# Altium PCB Tag201_GangProgrammerRev2.PcbDoc (part 3 of 7)
Units mil, origin at the board's own origin, x right, y up, seen from the top; angles counter-clockwise.
Board outline 10400 x 10885 mil, 4 copper layers (Top Layer, VCC, GND, Bottom Layer), stack 67.2 mil thick; 831 components, 394 nets, 2486 pads, 638 vias.
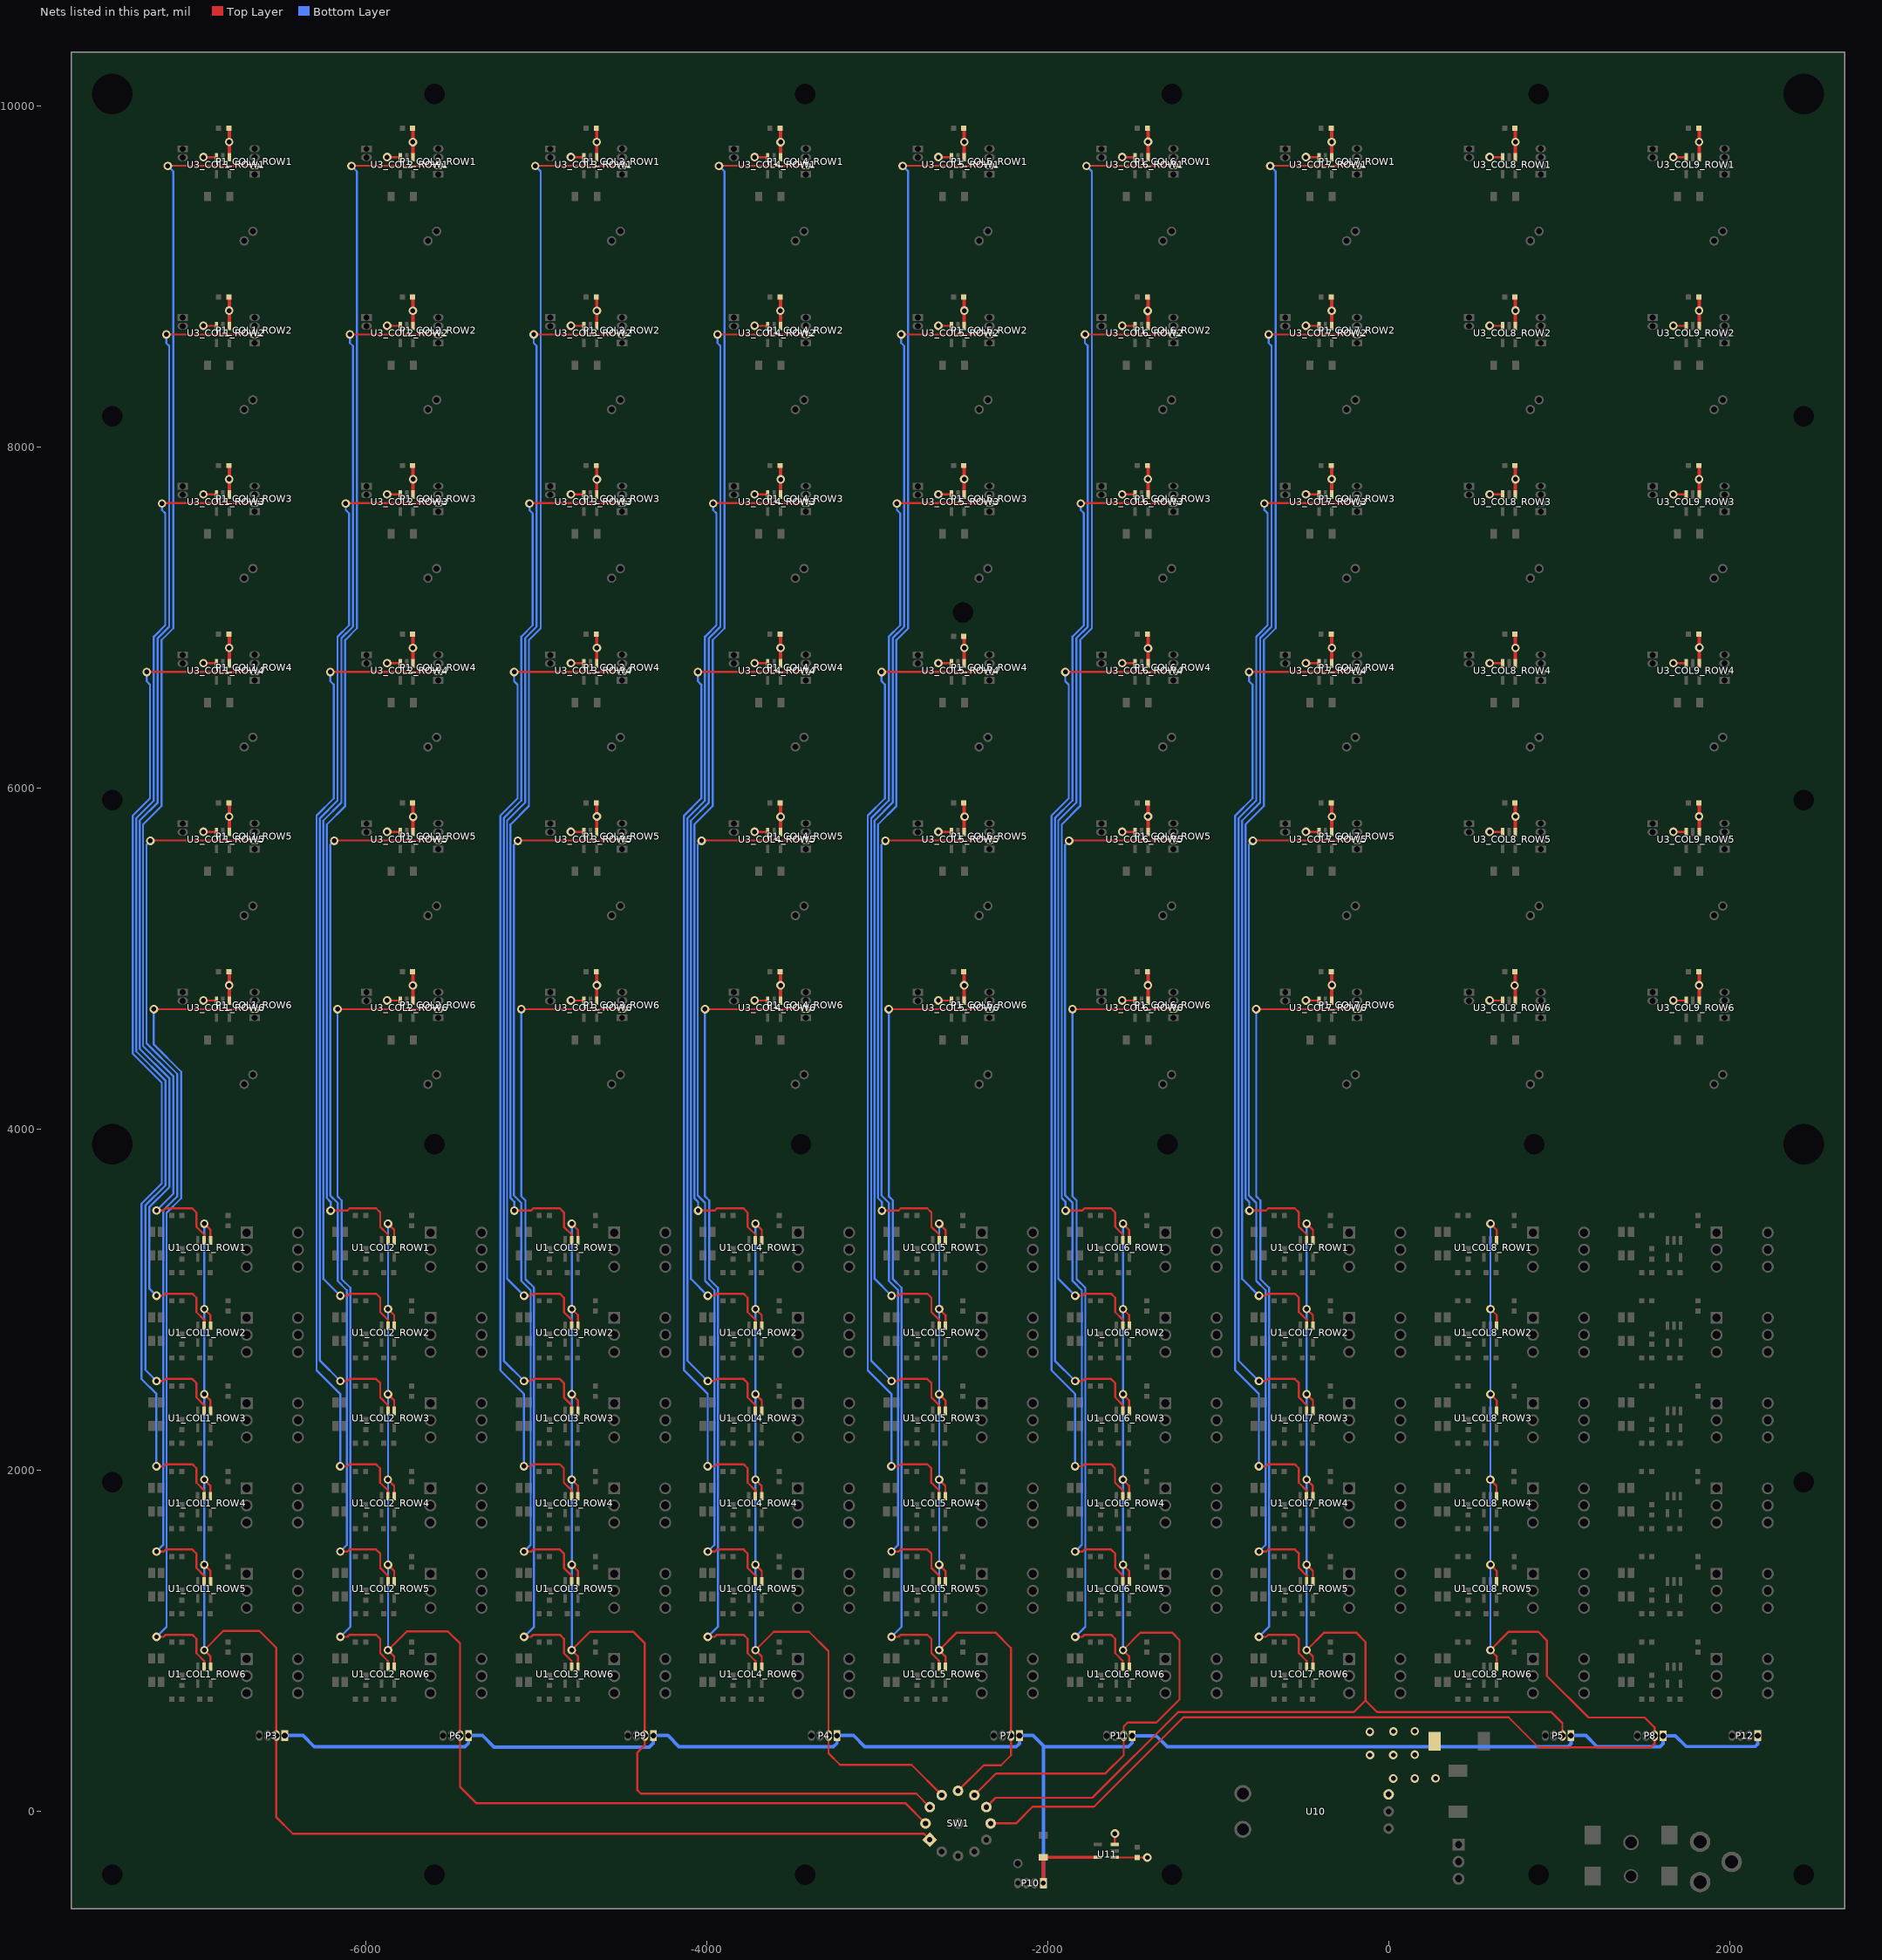
[diagram p5: the nets of this part, all layers, seen from the top]

## Footprints (in the part's own frame and the unit in brackets; to place one, negate y for a bottom-side part, rotate by r counter-clockwise, add the part's x,y. Pads: shape width x height; smd on the part's side, far side on the other; paste and mask are expansions set on the pad)
"1X2 HEADER_50MIL_081611" [mil] "TH"
  rect 40x62 hole 35 mask+2: 1(0,0)
  oval 40x62 hole 35 mask+2: 2(50,0)
  silkscreen extent -40,-50 90,50
"1X4 HEADER_50mil_071411"#1 [mil] "TH"
  rect 40x62 hole 35 mask+2: 1(0,0)
  oval 40x62 hole 35 mask+2: 2(50,0) 3(100,0) 4(150,0)
  silkscreen extent -40,-50 190,50
"1X4 HEADER_50mil_071411"#2 [mil] "TH"
  rect 40x62 hole 28 mask+2: 1(0,0)
  oval 40x62 hole 28 mask+2: 2(50,0) 3(100,0) 4(150,0)
  silkscreen extent -40,-50 190,50
0603_072205 [mil] "SM"
  rect 30x30 smd: 1(-30,0) 2(30,0)
  silkscreen extent -60,-30 60,30
"CAP A CASE_030205" [mil] "SMT"
  rect 40x55 smd: 1(65,0) 2(-65,0)
  silkscreen extent -100,-50 120,50
"CAP C CASE_041412" [mm] "SMT"
  rect 1.8x2.8 smd: 1(-3.048,0) 2(3.048,0)
  silkscreen extent -4.7,-2.03 4.32,2.03
"CAP D CASE_030205" [mm] "SMT"
  rect 1.8x2.8 smd: 1(3.65,0) 2(-3.65,0)
  silkscreen extent -5,-2.55 5.65,2.55
CnK_TseriesSPDT_Toggle_040512 [mil] "TH"
  rect 70x70 hole 43: 1(-100,0)
  round 70 hole 43: 2(0,0) 3(100,0)
  silkscreen extent -160,-100 160,100
"LED 5mm x 2.5mm_061112" [mm] "SMT"
  rect 1.5x1 smd: 1(1.75,-0.7) 2(1.75,0.7) 3(-1.75,-0.7) 4(-1.75,0.7)
  silkscreen extent -2.9,-2.25 2.93,1.53
"POWER JACK_SMALLHOLE_022110" [mil] "TH"
  round 120 hole 78: 1(0,0) 2(185,-118) 3(0,-236)
  silkscreen extent -118,-240 265,80
"POWER JACK_SMT_071312" [mil] "SMT"
  round 83 hole 63: 0(0,0)
  round 91 hole 71: 0(0,197)
  rect 94.49x110.24 smd: 1(-225,0) 1(-225,240) 2(225,0) 3(225,240)
  silkscreen extent -200,-100 195,385
SOT25_030205 [mil] "SMT"
  rect 50x20 smd: 1(50,-37.5) 2(50,-0.5) 3(50,37.5) 4(-50,37.5) 5(-50,-37.5)
  round 30 on Mech1 paste+0 mask+0: 1(65,-75)
  silkscreen extent -90,-81 90,72
SWITCH_ROTARY_1P12T_101912 [mil] "TH"
  round 62 hole 32: 0(0,0) 2(135,-135) 3(49.57,-185) 4(-49.57,-185) 5(-135,-135) 6(-185,-49.57) 7(-185,49.57) 8(-135,135) 9(-49.57,185) 10(49.57,185) 11(135,135) 12(185,49.57)
  rect 62x62 hole 32: 1(185,-50)
  silkscreen extent -250,-250 250,250
SwitchDPDT_6_061412 [mil] "TH"
  rect 70x70 hole 48: 1(-150,100)
  round 70 hole 48: 2(-150,0) 3(-150,-100) 4(150,-100) 5(150,0) 6(150,100)
  silkscreen extent -200,-170 200,170
TestPoint52x32 [mil] "SMT"
  round 55 hole 35: 1(0,0)
TI_PowerTrendsPT_061812 [mil] "TH"
  round 100 hole 70: 0(-5,855) 0(205,855)
  round 62 hole 35: 1(0,0) 2(100,0) 3(200,0)
  Top Layer keep-out region: 165,795 245,795 245,695 165,695
  Top Layer keep-out region: -45,795 35,795 35,695 -45,695
  Top Layer keep-out region: -69,51 270,51 270,230 -70,230
  silkscreen extent -430,0 630,1090

## Part data
C1_COL1_ROW1 C1_COL1_ROW2 C1_COL1_ROW3 C1_COL1_ROW4 C1_COL1_ROW5 C1_COL1_ROW6 C1_COL2_ROW1 C1_COL2_ROW2 C1_COL2_ROW3 C1_COL2_ROW4 C1_COL2_ROW5 C1_COL2_ROW6 C1_COL3_ROW1 C1_COL3_ROW2 C1_COL3_ROW3 C1_COL3_ROW4 C1_COL3_ROW5 C1_COL3_ROW6 C1_COL4_ROW1 C1_COL4_ROW2 C1_COL4_ROW3 C1_COL4_ROW4 C1_COL4_ROW5 C1_COL4_ROW6 C1_COL5_ROW1 C1_COL5_ROW2 C1_COL5_ROW3 C1_COL5_ROW4 C1_COL5_ROW5 C1_COL5_ROW6 C1_COL6_ROW1 C1_COL6_ROW2 C1_COL6_ROW3 C1_COL6_ROW4 C1_COL6_ROW5 C1_COL6_ROW6 C1_COL7_ROW1 C1_COL7_ROW2 C1_COL7_ROW3 C1_COL7_ROW4 C1_COL7_ROW5 C1_COL7_ROW6 C1_COL8_ROW1 C1_COL8_ROW2 C1_COL8_ROW3 C1_COL8_ROW4 C1_COL8_ROW5 C1_COL8_ROW6 C1_COL9_ROW1 C1_COL9_ROW2 C1_COL9_ROW3 C1_COL9_ROW4 C1_COL9_ROW5 C1_COL9_ROW6 C2_COL1_ROW1 C2_COL1_ROW2 C2_COL1_ROW3 C2_COL1_ROW4 C2_COL1_ROW5 C2_COL1_ROW6 C2_COL2_ROW1 C2_COL2_ROW2 C2_COL2_ROW3 C2_COL2_ROW4 C2_COL2_ROW5 C2_COL2_ROW6 C2_COL3_ROW1 C2_COL3_ROW2 C2_COL3_ROW3 C2_COL3_ROW4 C2_COL3_ROW5 C2_COL3_ROW6 C2_COL4_ROW1 C2_COL4_ROW2 C2_COL4_ROW3 C2_COL4_ROW4 C2_COL4_ROW5 C2_COL4_ROW6 C2_COL5_ROW1 C2_COL5_ROW2 C2_COL5_ROW3 C2_COL5_ROW4 C2_COL5_ROW5 C2_COL5_ROW6 C2_COL6_ROW1 C2_COL6_ROW2 C2_COL6_ROW3 C2_COL6_ROW4 C2_COL6_ROW5 C2_COL6_ROW6 C2_COL7_ROW1 C2_COL7_ROW2 C2_COL7_ROW3 C2_COL7_ROW4 C2_COL7_ROW5 C2_COL7_ROW6 C2_COL8_ROW1 C2_COL8_ROW2 C2_COL8_ROW3 C2_COL8_ROW4 C2_COL8_ROW5 C2_COL8_ROW6 C2_COL9_ROW1 C2_COL9_ROW2 C2_COL9_ROW3 C2_COL9_ROW4 C2_COL9_ROW5 C2_COL9_ROW6 C3_COL1_ROW1 C3_COL1_ROW2 C3_COL1_ROW3 C3_COL1_ROW4 C3_COL1_ROW5 C3_COL1_ROW6 C3_COL2_ROW1 C3_COL2_ROW2 C3_COL2_ROW3 C3_COL2_ROW4 C3_COL2_ROW5 C3_COL2_ROW6 C3_COL3_ROW1 C3_COL3_ROW2 C3_COL3_ROW3 C3_COL3_ROW4 C3_COL3_ROW5 C3_COL3_ROW6 C3_COL4_ROW1 C3_COL4_ROW2 C3_COL4_ROW3 C3_COL4_ROW4 C3_COL4_ROW5 C3_COL4_ROW6 C3_COL5_ROW1 C3_COL5_ROW2 C3_COL5_ROW3 C3_COL5_ROW4 C3_COL5_ROW5 C3_COL5_ROW6 C3_COL6_ROW1 C3_COL6_ROW2 C3_COL6_ROW3 C3_COL6_ROW4 C3_COL6_ROW5 C3_COL6_ROW6 C3_COL7_ROW1 C3_COL7_ROW2 C3_COL7_ROW3 C3_COL7_ROW4 C3_COL7_ROW5 C3_COL7_ROW6 C3_COL8_ROW1 C3_COL8_ROW2 C3_COL8_ROW3 C3_COL8_ROW4 C3_COL8_ROW5 C3_COL8_ROW6 C3_COL9_ROW1 C3_COL9_ROW2 C3_COL9_ROW3 C3_COL9_ROW4 C3_COL9_ROW5 C3_COL9_ROW6 C12 C13: library part Cap, "Capacitor"
C10 C11: library part Cap2, "Capacitor"
D1_COL1_ROW1 D1_COL1_ROW2 D1_COL1_ROW3 D1_COL1_ROW4 D1_COL1_ROW5 D1_COL1_ROW6 D1_COL2_ROW1 D1_COL2_ROW2 D1_COL2_ROW3 D1_COL2_ROW4 D1_COL2_ROW5 D1_COL2_ROW6 D1_COL3_ROW1 D1_COL3_ROW2 D1_COL3_ROW3 D1_COL3_ROW4 D1_COL3_ROW5 D1_COL3_ROW6 D1_COL4_ROW1 D1_COL4_ROW2 D1_COL4_ROW3 D1_COL4_ROW4 D1_COL4_ROW5 D1_COL4_ROW6 D1_COL5_ROW1 D1_COL5_ROW2 D1_COL5_ROW3 D1_COL5_ROW4 D1_COL5_ROW5 D1_COL5_ROW6 D1_COL6_ROW1 D1_COL6_ROW2 D1_COL6_ROW3 D1_COL6_ROW4 D1_COL6_ROW5 D1_COL6_ROW6 D1_COL7_ROW1 D1_COL7_ROW2 D1_COL7_ROW3 D1_COL7_ROW4 D1_COL7_ROW5 D1_COL7_ROW6 D1_COL8_ROW1 D1_COL8_ROW2 D1_COL8_ROW3 D1_COL8_ROW4 D1_COL8_ROW5 D1_COL8_ROW6 D1_COL9_ROW1 D1_COL9_ROW2 D1_COL9_ROW3 D1_COL9_ROW4 D1_COL9_ROW5 D1_COL9_ROW6: library part LED_BI_2_1
J1_COL1_ROW1 J1_COL1_ROW2 J1_COL1_ROW3 J1_COL1_ROW4 J1_COL1_ROW5 J1_COL1_ROW6 J1_COL2_ROW1 J1_COL2_ROW2 J1_COL2_ROW3 J1_COL2_ROW4 J1_COL2_ROW5 J1_COL2_ROW6 J1_COL3_ROW1 J1_COL3_ROW2 J1_COL3_ROW3 J1_COL3_ROW4 J1_COL3_ROW5 J1_COL3_ROW6 J1_COL4_ROW1 J1_COL4_ROW2 J1_COL4_ROW3 J1_COL4_ROW4 J1_COL4_ROW5 J1_COL4_ROW6 J1_COL5_ROW1 J1_COL5_ROW2 J1_COL5_ROW3 J1_COL5_ROW4 J1_COL5_ROW5 J1_COL5_ROW6 J1_COL6_ROW1 J1_COL6_ROW2 J1_COL6_ROW3 J1_COL6_ROW4 J1_COL6_ROW5 J1_COL6_ROW6 J1_COL7_ROW1 J1_COL7_ROW2 J1_COL7_ROW3 J1_COL7_ROW4 J1_COL7_ROW5 J1_COL7_ROW6 J1_COL8_ROW1 J1_COL8_ROW2 J1_COL8_ROW3 J1_COL8_ROW4 J1_COL8_ROW5 J1_COL8_ROW6 J1_COL9_ROW1 J1_COL9_ROW2 J1_COL9_ROW3 J1_COL9_ROW4 J1_COL9_ROW5 J1_COL9_ROW6 J2_COL1_ROW1 J2_COL1_ROW2 J2_COL1_ROW3 J2_COL1_ROW4 J2_COL1_ROW5 J2_COL1_ROW6 J2_COL2_ROW1 J2_COL2_ROW2 J2_COL2_ROW3 J2_COL2_ROW4 J2_COL2_ROW5 J2_COL2_ROW6 J2_COL3_ROW1 J2_COL3_ROW2 J2_COL3_ROW3 J2_COL3_ROW4 J2_COL3_ROW5 J2_COL3_ROW6 J2_COL4_ROW1 J2_COL4_ROW2 J2_COL4_ROW3 J2_COL4_ROW4 J2_COL4_ROW5 J2_COL4_ROW6 J2_COL5_ROW1 J2_COL5_ROW2 J2_COL5_ROW3 J2_COL5_ROW4 J2_COL5_ROW5 J2_COL5_ROW6 J2_COL6_ROW1 J2_COL6_ROW2 J2_COL6_ROW3 J2_COL6_ROW4 J2_COL6_ROW5 J2_COL6_ROW6 J2_COL7_ROW1 J2_COL7_ROW2 J2_COL7_ROW3 J2_COL7_ROW4 J2_COL7_ROW5 J2_COL7_ROW6 J2_COL8_ROW1 J2_COL8_ROW2 J2_COL8_ROW3 J2_COL8_ROW4 J2_COL8_ROW5 J2_COL8_ROW6 J2_COL9_ROW1 J2_COL9_ROW2 J2_COL9_ROW3 J2_COL9_ROW4 J2_COL9_ROW5 J2_COL9_ROW6 TP1: library part CON1, "Connector"
P1_COL1_ROW1 P1_COL1_ROW2 P1_COL1_ROW3 P1_COL1_ROW4 P1_COL1_ROW5 P1_COL1_ROW6 P1_COL2_ROW1 P1_COL2_ROW2 P1_COL2_ROW3 P1_COL2_ROW4 P1_COL2_ROW5 P1_COL2_ROW6 P1_COL3_ROW1 P1_COL3_ROW2 P1_COL3_ROW3 P1_COL3_ROW4 P1_COL3_ROW5 P1_COL3_ROW6 P1_COL4_ROW1 P1_COL4_ROW2 P1_COL4_ROW3 P1_COL4_ROW4 P1_COL4_ROW5 P1_COL4_ROW6 P1_COL5_ROW1 P1_COL5_ROW2 P1_COL5_ROW3 P1_COL5_ROW4 P1_COL5_ROW5 P1_COL5_ROW6 P1_COL6_ROW1 P1_COL6_ROW2 P1_COL6_ROW3 P1_COL6_ROW4 P1_COL6_ROW5 P1_COL6_ROW6 P1_COL7_ROW1 P1_COL7_ROW2 P1_COL7_ROW3 P1_COL7_ROW4 P1_COL7_ROW5 P1_COL7_ROW6 P1_COL8_ROW1 P1_COL8_ROW2 P1_COL8_ROW3 P1_COL8_ROW4 P1_COL8_ROW5 P1_COL8_ROW6 P1_COL9_ROW1 P1_COL9_ROW2 P1_COL9_ROW3 P1_COL9_ROW4 P1_COL9_ROW5 P1_COL9_ROW6 P3 P4 P5 P6 P7 P8 P9 P10 P11 P12: library part "Header 4", "Header, 4-Pin"
P2_COL1_ROW1 P2_COL1_ROW2 P2_COL1_ROW3 P2_COL1_ROW4 P2_COL1_ROW5 P2_COL1_ROW6 P2_COL2_ROW1 P2_COL2_ROW2 P2_COL2_ROW3 P2_COL2_ROW4 P2_COL2_ROW5 P2_COL2_ROW6 P2_COL3_ROW1 P2_COL3_ROW2 P2_COL3_ROW3 P2_COL3_ROW4 P2_COL3_ROW5 P2_COL3_ROW6 P2_COL4_ROW1 P2_COL4_ROW2 P2_COL4_ROW3 P2_COL4_ROW4 P2_COL4_ROW5 P2_COL4_ROW6 P2_COL5_ROW1 P2_COL5_ROW2 P2_COL5_ROW3 P2_COL5_ROW4 P2_COL5_ROW5 P2_COL5_ROW6 P2_COL6_ROW1 P2_COL6_ROW2 P2_COL6_ROW3 P2_COL6_ROW4 P2_COL6_ROW5 P2_COL6_ROW6 P2_COL7_ROW1 P2_COL7_ROW2 P2_COL7_ROW3 P2_COL7_ROW4 P2_COL7_ROW5 P2_COL7_ROW6 P2_COL8_ROW1 P2_COL8_ROW2 P2_COL8_ROW3 P2_COL8_ROW4 P2_COL8_ROW5 P2_COL8_ROW6 P2_COL9_ROW1 P2_COL9_ROW2 P2_COL9_ROW3 P2_COL9_ROW4 P2_COL9_ROW5 P2_COL9_ROW6: library part CON2
R1_COL1_ROW1 R1_COL1_ROW2 R1_COL1_ROW3 R1_COL1_ROW4 R1_COL1_ROW5 R1_COL1_ROW6 R1_COL2_ROW1 R1_COL2_ROW2 R1_COL2_ROW3 R1_COL2_ROW4 R1_COL2_ROW5 R1_COL2_ROW6 R1_COL3_ROW1 R1_COL3_ROW2 R1_COL3_ROW3 R1_COL3_ROW4 R1_COL3_ROW5 R1_COL3_ROW6 R1_COL4_ROW1 R1_COL4_ROW2 R1_COL4_ROW3 R1_COL4_ROW4 R1_COL4_ROW5 R1_COL4_ROW6 R1_COL5_ROW1 R1_COL5_ROW2 R1_COL5_ROW3 R1_COL5_ROW4 R1_COL5_ROW5 R1_COL5_ROW6 R1_COL6_ROW1 R1_COL6_ROW2 R1_COL6_ROW3 R1_COL6_ROW4 R1_COL6_ROW5 R1_COL6_ROW6 R1_COL7_ROW1 R1_COL7_ROW2 R1_COL7_ROW3 R1_COL7_ROW4 R1_COL7_ROW5 R1_COL7_ROW6 R1_COL8_ROW1 R1_COL8_ROW2 R1_COL8_ROW3 R1_COL8_ROW4 R1_COL8_ROW5 R1_COL8_ROW6 R1_COL9_ROW1 R1_COL9_ROW2 R1_COL9_ROW3 R1_COL9_ROW4 R1_COL9_ROW5 R1_COL9_ROW6 R2_COL1_ROW1 R2_COL1_ROW2 R2_COL1_ROW3 R2_COL1_ROW4 R2_COL1_ROW5 R2_COL1_ROW6 R2_COL2_ROW1 R2_COL2_ROW2 R2_COL2_ROW3 R2_COL2_ROW4 R2_COL2_ROW5 R2_COL2_ROW6 R2_COL3_ROW1 R2_COL3_ROW2 R2_COL3_ROW3 R2_COL3_ROW4 R2_COL3_ROW5 R2_COL3_ROW6 R2_COL4_ROW1 R2_COL4_ROW2 R2_COL4_ROW3 R2_COL4_ROW4 R2_COL4_ROW5 R2_COL4_ROW6 R2_COL5_ROW1 R2_COL5_ROW2 R2_COL5_ROW3 R2_COL5_ROW4 R2_COL5_ROW5 R2_COL5_ROW6 R2_COL6_ROW1 R2_COL6_ROW2 R2_COL6_ROW3 R2_COL6_ROW4 R2_COL6_ROW5 R2_COL6_ROW6 R2_COL7_ROW1 R2_COL7_ROW2 R2_COL7_ROW3 R2_COL7_ROW4 R2_COL7_ROW5 R2_COL7_ROW6 R2_COL8_ROW1 R2_COL8_ROW2 R2_COL8_ROW3 R2_COL8_ROW4 R2_COL8_ROW5 R2_COL8_ROW6 R2_COL9_ROW1 R2_COL9_ROW2 R2_COL9_ROW3 R2_COL9_ROW4 R2_COL9_ROW5 R2_COL9_ROW6 R3_COL1_ROW1 R3_COL1_ROW2 R3_COL1_ROW3 R3_COL1_ROW4 R3_COL1_ROW5 R3_COL1_ROW6 R3_COL2_ROW1 R3_COL2_ROW2 R3_COL2_ROW3 R3_COL2_ROW4 R3_COL2_ROW5 R3_COL2_ROW6 R3_COL3_ROW1 R3_COL3_ROW2 R3_COL3_ROW3 R3_COL3_ROW4 R3_COL3_ROW5 R3_COL3_ROW6 R3_COL4_ROW1 R3_COL4_ROW2 R3_COL4_ROW3 R3_COL4_ROW4 R3_COL4_ROW5 R3_COL4_ROW6 R3_COL5_ROW1 R3_COL5_ROW2 R3_COL5_ROW3 R3_COL5_ROW4 R3_COL5_ROW5 R3_COL5_ROW6 R3_COL6_ROW1 R3_COL6_ROW2 R3_COL6_ROW3 R3_COL6_ROW4 R3_COL6_ROW5 R3_COL6_ROW6 R3_COL7_ROW1 R3_COL7_ROW2 R3_COL7_ROW3 R3_COL7_ROW4 R3_COL7_ROW5 R3_COL7_ROW6 R3_COL8_ROW1 R3_COL8_ROW2 R3_COL8_ROW3 R3_COL8_ROW4 R3_COL8_ROW5 R3_COL8_ROW6 R3_COL9_ROW1 R3_COL9_ROW2 R3_COL9_ROW3 R3_COL9_ROW4 R3_COL9_ROW5 R3_COL9_ROW6 R4_COL1_ROW1 R4_COL1_ROW2 R4_COL1_ROW3 R4_COL1_ROW4 R4_COL1_ROW5 R4_COL1_ROW6 R4_COL2_ROW1 R4_COL2_ROW2 R4_COL2_ROW3 R4_COL2_ROW4 R4_COL2_ROW5 R4_COL2_ROW6 R4_COL3_ROW1 R4_COL3_ROW2 R4_COL3_ROW3 R4_COL3_ROW4 R4_COL3_ROW5 R4_COL3_ROW6 R4_COL4_ROW1 R4_COL4_ROW2 R4_COL4_ROW3 R4_COL4_ROW4 R4_COL4_ROW5 R4_COL4_ROW6 R4_COL5_ROW1 R4_COL5_ROW2 R4_COL5_ROW3 R4_COL5_ROW4 R4_COL5_ROW5 R4_COL5_ROW6 R4_COL6_ROW1 R4_COL6_ROW2 R4_COL6_ROW3 R4_COL6_ROW4 R4_COL6_ROW5 R4_COL6_ROW6 R4_COL7_ROW1 R4_COL7_ROW2 R4_COL7_ROW3 R4_COL7_ROW4 R4_COL7_ROW5 R4_COL7_ROW6 R4_COL8_ROW1 R4_COL8_ROW2 R4_COL8_ROW3 R4_COL8_ROW4 R4_COL8_ROW5 R4_COL8_ROW6 R4_COL9_ROW1 R4_COL9_ROW2 R4_COL9_ROW3 R4_COL9_ROW4 R4_COL9_ROW5 R4_COL9_ROW6: library part RESISTOR
S1: library part "SWITCH SPST"
S1_COL1_ROW1 S1_COL1_ROW2 S1_COL1_ROW3 S1_COL1_ROW4 S1_COL1_ROW5 S1_COL1_ROW6 S1_COL2_ROW1 S1_COL2_ROW2 S1_COL2_ROW3 S1_COL2_ROW4 S1_COL2_ROW5 S1_COL2_ROW6 S1_COL3_ROW1 S1_COL3_ROW2 S1_COL3_ROW3 S1_COL3_ROW4 S1_COL3_ROW5 S1_COL3_ROW6 S1_COL4_ROW1 S1_COL4_ROW2 S1_COL4_ROW3 S1_COL4_ROW4 S1_COL4_ROW5 S1_COL4_ROW6 S1_COL5_ROW1 S1_COL5_ROW2 S1_COL5_ROW3 S1_COL5_ROW4 S1_COL5_ROW5 S1_COL5_ROW6 S1_COL6_ROW1 S1_COL6_ROW2 S1_COL6_ROW3 S1_COL6_ROW4 S1_COL6_ROW5 S1_COL6_ROW6 S1_COL7_ROW1 S1_COL7_ROW2 S1_COL7_ROW3 S1_COL7_ROW4 S1_COL7_ROW5 S1_COL7_ROW6 S1_COL8_ROW1 S1_COL8_ROW2 S1_COL8_ROW3 S1_COL8_ROW4 S1_COL8_ROW5 S1_COL8_ROW6 S1_COL9_ROW1 S1_COL9_ROW2 S1_COL9_ROW3 S1_COL9_ROW4 S1_COL9_ROW5 S1_COL9_ROW6: library part "SWITCH PB"
SW1: library part SwitchRotary1P12T
U1_COL1_ROW1 U1_COL1_ROW2 U1_COL1_ROW3 U1_COL1_ROW4 U1_COL1_ROW5 U1_COL1_ROW6 U1_COL2_ROW1 U1_COL2_ROW2 U1_COL2_ROW3 U1_COL2_ROW4 U1_COL2_ROW5 U1_COL2_ROW6 U1_COL3_ROW1 U1_COL3_ROW2 U1_COL3_ROW3 U1_COL3_ROW4 U1_COL3_ROW5 U1_COL3_ROW6 U1_COL4_ROW1 U1_COL4_ROW2 U1_COL4_ROW3 U1_COL4_ROW4 U1_COL4_ROW5 U1_COL4_ROW6 U1_COL5_ROW1 U1_COL5_ROW2 U1_COL5_ROW3 U1_COL5_ROW4 U1_COL5_ROW5 U1_COL5_ROW6 U1_COL6_ROW1 U1_COL6_ROW2 U1_COL6_ROW3 U1_COL6_ROW4 U1_COL6_ROW5 U1_COL6_ROW6 U1_COL7_ROW1 U1_COL7_ROW2 U1_COL7_ROW3 U1_COL7_ROW4 U1_COL7_ROW5 U1_COL7_ROW6 U1_COL8_ROW1 U1_COL8_ROW2 U1_COL8_ROW3 U1_COL8_ROW4 U1_COL8_ROW5 U1_COL8_ROW6 U1_COL9_ROW1 U1_COL9_ROW2 U1_COL9_ROW3 U1_COL9_ROW4 U1_COL9_ROW5 U1_COL9_ROW6: library part 7466_SINGLE, "Single Solid State Switch"
U3_COL1_ROW1 U3_COL1_ROW2 U3_COL1_ROW3 U3_COL1_ROW4 U3_COL1_ROW5 U3_COL1_ROW6 U3_COL2_ROW1 U3_COL2_ROW2 U3_COL2_ROW3 U3_COL2_ROW4 U3_COL2_ROW5 U3_COL2_ROW6 U3_COL3_ROW1 U3_COL3_ROW2 U3_COL3_ROW3 U3_COL3_ROW4 U3_COL3_ROW5 U3_COL3_ROW6 U3_COL4_ROW1 U3_COL4_ROW2 U3_COL4_ROW3 U3_COL4_ROW4 U3_COL4_ROW5 U3_COL4_ROW6 U3_COL5_ROW1 U3_COL5_ROW2 U3_COL5_ROW3 U3_COL5_ROW4 U3_COL5_ROW5 U3_COL5_ROW6 U3_COL6_ROW1 U3_COL6_ROW2 U3_COL6_ROW3 U3_COL6_ROW4 U3_COL6_ROW5 U3_COL6_ROW6 U3_COL7_ROW1 U3_COL7_ROW2 U3_COL7_ROW3 U3_COL7_ROW4 U3_COL7_ROW5 U3_COL7_ROW6 U3_COL8_ROW1 U3_COL8_ROW2 U3_COL8_ROW3 U3_COL8_ROW4 U3_COL8_ROW5 U3_COL8_ROW6 U3_COL9_ROW1 U3_COL9_ROW2 U3_COL9_ROW3 U3_COL9_ROW4 U3_COL9_ROW5 U3_COL9_ROW6 U11: library part LP2985
U10: library part LM340T

## Free pads (board coordinates)
  round 62 hole 120 unplated: 0(-7485,-370) 0(-7485,1930) 0(-7485,5930) 0(-7485,8180) 0(-5596,-370) 0(-5596,3913) 0(-5596,10069) 0(-3446,3913) 0(-3421,-370) 0(-3421,10069) 0(-2496,7030) 0(-1296,3913) 0(-1271,-370) 0(-1271,10069) 0(854,3913) 0(879,-370) 0(879,10069) 0(2434.5,-370) 0(2434.5,1930) 0(2434.5,5930) 0(2434.5,8180)
  round 62 hole 238 unplated: 0(-7485,3913) 0(-7485,10069) 0(2434.5,3913) 0(2434.5,10069)

## Via types
v1: diameter 50, hole 28, Top Layer to Bottom Layer, tented both sides, 638 vias

## Nets (pads, with @x,y where several pads share a name; then routed paths per layer and width w, separated by ;. In a path a pad name is that pad's centre, name@x,y a point inside that pad or via, vN(x,y) a via of type N, cw(c..) or ccw(c..) an arc to the next point about the centre after c; other vN are vias at no path point)
+3V_3: C12.1 P3.1 P4.1 P5.1 P6.1 P7.1 P8.1 P9.1 P10.1 P11.1 P12.1 U11.5 | length 10557.1
  Top Layer w20: P10.1@-2025,-420 C12.1@-2025,-269 -2024.5,-268.5 U11.5@-1706,-268.5
  Bottom Layer w20: P3.1@-6473,445 -6367,445 -6301,379 -5417,379 -5396,400 P6.1@-5396,445 -5314,445 -5247,378 -4335,378 -4312,401 P9.1@-4312,445 -4227,445 -4161,379 -3256,379 -3235,400 P4.1@-3235,445 -3138,445 -3072,379 -2184,379 -2165,398 P7.1@-2165,445 -2086,445 -2020,379 ; P10.1@-2025,-420 -2025,374 -2020,379 ; P12.1@2164,445 2164,395 2150,381 1744,381 1681,444 P8.1@1609,444 1609,397 1592,380 1222,380 1157,445 P5.1@1069,445 1069,397 1052,380 -1299,380 -1363,444 P11.1@-1504,444 -1504,402 -1527,379 -2020,379
+5V: C1_COL1_ROW1.1 C1_COL1_ROW2.1 C1_COL1_ROW3.1 C1_COL1_ROW4.1 C1_COL1_ROW5.1 C1_COL1_ROW6.1 C1_COL2_ROW1.1 C1_COL2_ROW2.1 C1_COL2_ROW3.1 C1_COL2_ROW4.1 C1_COL2_ROW5.1 C1_COL2_ROW6.1 C1_COL3_ROW1.1 C1_COL3_ROW2.1 C1_COL3_ROW3.1 C1_COL3_ROW4.1 C1_COL3_ROW5.1 C1_COL3_ROW6.1 C1_COL4_ROW1.1 C1_COL4_ROW2.1 C1_COL4_ROW3.1 C1_COL4_ROW4.1 C1_COL4_ROW5.1 C1_COL4_ROW6.1 C1_COL5_ROW1.1 C1_COL5_ROW2.1 C1_COL5_ROW3.1 C1_COL5_ROW4.1 C1_COL5_ROW5.1 C1_COL5_ROW6.1 C1_COL6_ROW1.1 C1_COL6_ROW2.1 C1_COL6_ROW3.1 C1_COL6_ROW4.1 C1_COL6_ROW5.1 C1_COL6_ROW6.1 C1_COL7_ROW1.1 C1_COL7_ROW2.1 C1_COL7_ROW3.1 C1_COL7_ROW4.1 C1_COL7_ROW5.1 C1_COL7_ROW6.1 C1_COL8_ROW1.1 C1_COL8_ROW2.1 C1_COL8_ROW3.1 C1_COL8_ROW4.1 C1_COL8_ROW5.1 C1_COL8_ROW6.1 C1_COL9_ROW1.1 C1_COL9_ROW2.1 C1_COL9_ROW3.1 C1_COL9_ROW4.1 C1_COL9_ROW5.1 C1_COL9_ROW6.1 C11.1 C13.1 U3_COL1_ROW1.1@-6799,9699 U3_COL1_ROW1.3 U3_COL1_ROW2.1@-6799,8710 U3_COL1_ROW2.3 U3_COL1_ROW3.1@-6799,7721 U3_COL1_ROW3.3 U3_COL1_ROW4.1@-6799,6732 U3_COL1_ROW4.3 U3_COL1_ROW5.1@-6799,5743 U3_COL1_ROW5.3 U3_COL1_ROW6.1@-6799,4754 U3_COL1_ROW6.3 U3_COL2_ROW1.1@-5721.5,9699 U3_COL2_ROW1.3 U3_COL2_ROW2.1@-5721.5,8710 U3_COL2_ROW2.3 U3_COL2_ROW3.1@-5721.5,7721 U3_COL2_ROW3.3 U3_COL2_ROW4.1@-5721.5,6732 U3_COL2_ROW4.3 U3_COL2_ROW5.1@-5721.5,5743 U3_COL2_ROW5.3 U3_COL2_ROW6.1@-5721.5,4754 U3_COL2_ROW6.3 U3_COL3_ROW1.1@-4644,9699 U3_COL3_ROW1.3 U3_COL3_ROW2.1@-4644,8710 U3_COL3_ROW2.3 U3_COL3_ROW3.1@-4644,7721 U3_COL3_ROW3.3 U3_COL3_ROW4.1@-4644,6732 U3_COL3_ROW4.3 U3_COL3_ROW5.1@-4644,5743 U3_COL3_ROW5.3 U3_COL3_ROW6.1@-4644,4754 U3_COL3_ROW6.3 U3_COL4_ROW1.1@-3566.5,9699 U3_COL4_ROW1.3 U3_COL4_ROW2.1@-3566.5,8710 U3_COL4_ROW2.3 U3_COL4_ROW3.1@-3566.5,7721 U3_COL4_ROW3.3 U3_COL4_ROW4.1@-3566.5,6732 U3_COL4_ROW4.3 U3_COL4_ROW5.1@-3566.5,5743 U3_COL4_ROW5.3 U3_COL4_ROW6.1@-3566.5,4754 U3_COL4_ROW6.3 U3_COL5_ROW1.1@-2489,9699 U3_COL5_ROW1.3 U3_COL5_ROW2.1@-2489,8710 U3_COL5_ROW2.3 U3_COL5_ROW3.1@-2489,7721 U3_COL5_ROW3.3 U3_COL5_ROW4.1@-2489,6732 U3_COL5_ROW4.3 U3_COL5_ROW5.1@-2489,5743 U3_COL5_ROW5.3 U3_COL5_ROW6.1@-2489,4754 U3_COL5_ROW6.3 U3_COL6_ROW1.1@-1411.5,9699 U3_COL6_ROW1.3 U3_COL6_ROW2.1@-1411.5,8710 U3_COL6_ROW2.3 U3_COL6_ROW3.1@-1411.5,7721 U3_COL6_ROW3.3 U3_COL6_ROW4.1@-1411.5,6732 U3_COL6_ROW4.3 U3_COL6_ROW5.1@-1411.5,5743 U3_COL6_ROW5.3 U3_COL6_ROW6.1@-1411.5,4754 U3_COL6_ROW6.3 U3_COL7_ROW1.1@-334,9699 U3_COL7_ROW1.3 U3_COL7_ROW2.1@-334,8710 U3_COL7_ROW2.3 U3_COL7_ROW3.1@-334,7721 U3_COL7_ROW3.3 U3_COL7_ROW4.1@-334,6732 U3_COL7_ROW4.3 U3_COL7_ROW5.1@-334,5743 U3_COL7_ROW5.3 U3_COL7_ROW6.1@-334,4754 U3_COL7_ROW6.3 U3_COL8_ROW1.1@743.5,9699 U3_COL8_ROW1.3 U3_COL8_ROW2.1@743.5,8710 U3_COL8_ROW2.3 U3_COL8_ROW3.1@743.5,7721 U3_COL8_ROW3.3 U3_COL8_ROW4.1@743.5,6732 U3_COL8_ROW4.3 U3_COL8_ROW5.1@743.5,5743 U3_COL8_ROW5.3 U3_COL8_ROW6.1@743.5,4754 U3_COL8_ROW6.3 U3_COL9_ROW1.1@1821,9699 U3_COL9_ROW1.3 U3_COL9_ROW2.1@1821,8710 U3_COL9_ROW2.3 U3_COL9_ROW3.1@1821,7721 U3_COL9_ROW3.3 U3_COL9_ROW4.1@1821,6732 U3_COL9_ROW4.3 U3_COL9_ROW5.1@1821,5743 U3_COL9_ROW5.3 U3_COL9_ROW6.1@1821,4754 U3_COL9_ROW6.3 U10.3 U11.1@-1606,-268.5 U11.3 | length 13357.5
  Top Layer w12: v1(-6950.5,4755) U3_COL1_ROW6.3@-6875,4755 ; v1(-6950.5,5744) U3_COL1_ROW5.3@-6875,5744 ; v1(-6950.5,6733) U3_COL1_ROW4.3@-6875,6733 ; v1(-6950.5,7722) U3_COL1_ROW3.3@-6875,7722 ; v1(-6950.5,8711) U3_COL1_ROW2.3@-6875,8711 ; v1(-6950.5,9700) U3_COL1_ROW1.3@-6875,9700 ; v1(-5873,4755) U3_COL2_ROW6.3@-5797.5,4755 ; v1(-5873,5744) U3_COL2_ROW5.3@-5797.5,5744 ; v1(-5873,6733) U3_COL2_ROW4.3@-5797.5,6733 ; v1(-5873,7722) U3_COL2_ROW3.3@-5797.5,7722 ; v1(-5873,8711) U3_COL2_ROW2.3@-5797.5,8711 ; v1(-5873,9700) U3_COL2_ROW1.3@-5797.5,9700 ; v1(-4795.5,4755) U3_COL3_ROW6.3@-4720,4755 ; v1(-4795.5,5744) U3_COL3_ROW5.3@-4720,5744 ; v1(-4795.5,6733) U3_COL3_ROW4.3@-4720,6733 ; v1(-4795.5,7722) U3_COL3_ROW3.3@-4720,7722 ; v1(-4795.5,8711) U3_COL3_ROW2.3@-4720,8711 ; v1(-4795.5,9700) U3_COL3_ROW1.3@-4720,9700 ; v1(-3718,4755) U3_COL4_ROW6.3@-3642.5,4755 ; v1(-3718,5744) U3_COL4_ROW5.3@-3642.5,5744 ; v1(-3718,6733) U3_COL4_ROW4.3@-3642.5,6733 ; v1(-3718,7722) U3_COL4_ROW3.3@-3642.5,7722 ; v1(-3718,8711) U3_COL4_ROW2.3@-3642.5,8711 ; v1(-3718,9700) U3_COL4_ROW1.3@-3642.5,9700 ; v1(-2640.5,4755) U3_COL5_ROW6.3@-2565,4755 ; v1(-2640.5,5744) U3_COL5_ROW5.3@-2565,5744 ; v1(-2640.5,6733) U3_COL5_ROW4.3@-2565,6733 ; v1(-2640.5,7722) U3_COL5_ROW3.3@-2565,7722 ; v1(-2640.5,8711) U3_COL5_ROW2.3@-2565,8711 ; v1(-2640.5,9700) U3_COL5_ROW1.3@-2565,9700 ; U11.3@-1606,-193.5 v1@-1606,-131 ; U11.1@-1604.5,-270 C13.1@-1475,-270 v1(-1415,-270) ; v1(-1563,4755) U3_COL6_ROW6.3@-1487.5,4755 ; v1(-1563,5744) U3_COL6_ROW5.3@-1487.5,5744 ; v1(-1563,6733) U3_COL6_ROW4.3@-1487.5,6733 ; v1(-1563,7722) U3_COL6_ROW3.3@-1487.5,7722 ; v1(-1563,8711) U3_COL6_ROW2.3@-1487.5,8711 ; v1(-1563,9700) U3_COL6_ROW1.3@-1487.5,9700 ; v1(-485.5,4755) U3_COL7_ROW6.3@-410,4755 ; v1(-485.5,5744) U3_COL7_ROW5.3@-410,5744 ; v1(-485.5,6733) U3_COL7_ROW4.3@-410,6733 ; v1(-485.5,7722) U3_COL7_ROW3.3@-410,7722 ; v1(-485.5,8711) U3_COL7_ROW2.3@-410,8711 ; v1(-485.5,9700) U3_COL7_ROW1.3@-410,9700 ; v1(592,4755) U3_COL8_ROW6.3@667.5,4755 ; v1(592,5744) U3_COL8_ROW5.3@667.5,5744 ; v1(592,6733) U3_COL8_ROW4.3@667.5,6733 ; v1(592,7722) U3_COL8_ROW3.3@667.5,7722 ; v1(592,8711) U3_COL8_ROW2.3@667.5,8711 ; v1(592,9700) U3_COL8_ROW1.3@667.5,9700 ; v1(1669.5,4755) U3_COL9_ROW6.3@1745,4755 ; v1(1669.5,5744) U3_COL9_ROW5.3@1745,5744 ; v1(1669.5,6733) U3_COL9_ROW4.3@1745,6733 ; v1(1669.5,7722) U3_COL9_ROW3.3@1745,7722 ; v1(1669.5,8711) U3_COL9_ROW2.3@1745,8711 ; v1(1669.5,9700) U3_COL9_ROW1.3@1745,9700